# KiCad board pcb-panel.kicad_pcb (continued)
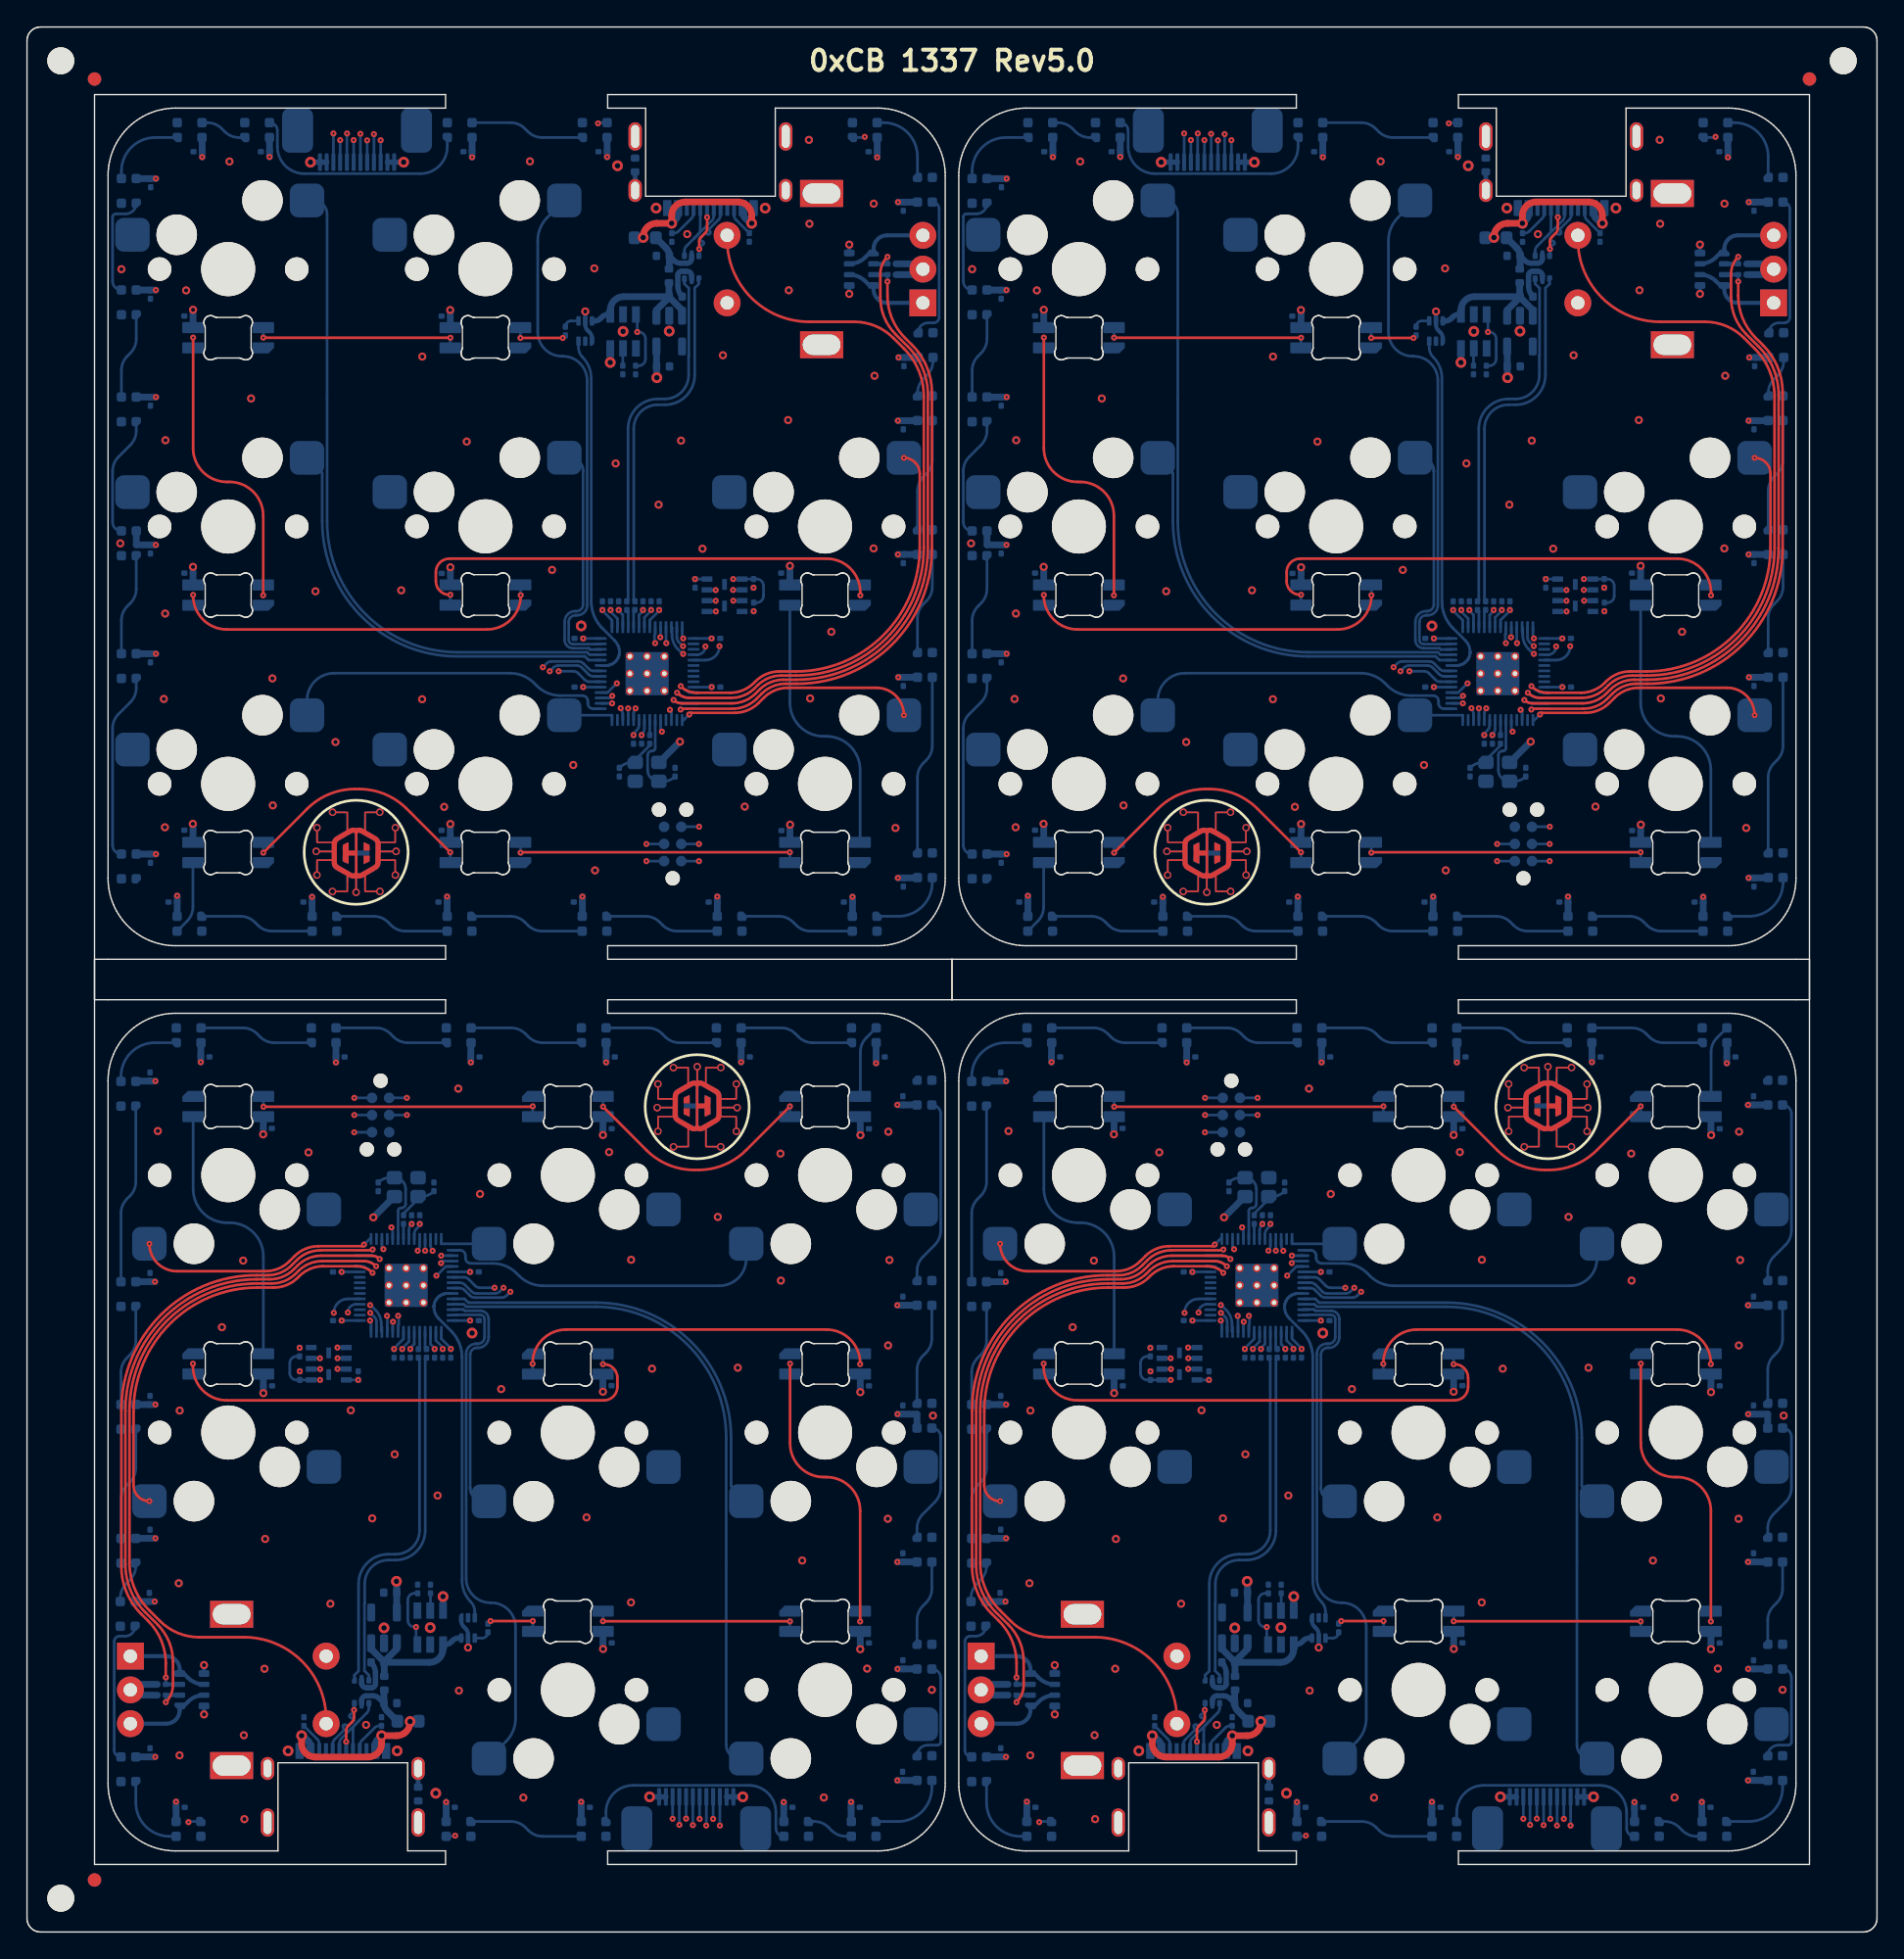
[diagram p0: board, top side]
## Routing (per net, layer and track width the routed paths; a pad name or vN(x,y) marks a point on that pad's centre or on a via; arc(x,y) is an arc through that point) (continued)
Board_1-/SPI0_DC: length 63.2
  In1.Cu w0.2: v1(87.19,132.63) 87.19,133.15 arc(87.07,133.43) 86.79,133.55 85.64,133.55 arc(85.52,133.52) 85.42,133.46 85.38,133.41 arc(85.3,133.28) 85.27,133.13 85.27,133.09 arc(85.29,132.96) 85.37,132.85 87.5,130.71 arc(87.71,130.39) 87.79,130.01 87.79,102.3 arc(90.64,95.44) 97.5,92.59 102.53,92.59 arc(102.72,92.63) 102.88,92.74 102.96,92.81 arc(103.12,92.92) 103.31,92.96 105.06,92.96 arc(105.44,92.88) 105.76,92.67 106.66,91.77 arc(106.74,91.66) 106.77,91.52 106.77,91.45 arc(106.74,91.32) 106.67,91.22 106.39,90.94 v1(106.33,90.94)
  Bottom w0.2: J2#2.6 v1(87.19,132.63) ; v1(106.33,90.94) 106.33,90.94 U6#2.30
Board_1-/SPI0_RST: length 55.1
  In1.Cu w0.2: v1(88.69,133.07) 88.69,102.38 arc(91.29,96.09) 97.58,93.49 100.9,93.49 arc(101.06,93.52) v1(101.2,93.62)
  Bottom w0.2: v1(101.2,93.62) 101.48,93.9 arc(101.65,94.01) 101.84,94.04 103.85,94.04 arc(104.04,94.01) 104.2,93.9 104.61,93.49 arc(104.77,93.38) 104.96,93.34 U6#2.36 ; J2#2.9 v1(88.69,133.07)
Board_1-/SPI0_SCK: length 53.9
  In1.Cu w0.2: v1(102.37,93.32) 101.86,93.83 arc(101.62,93.99) 101.35,94.04 101.17,94.04 arc(101.04,94.01) 100.93,93.94 100.89,93.9 arc(100.76,93.82) 100.62,93.79 97.61,93.79 arc(91.51,96.31) 88.99,102.41 88.99,132.14 arc(89.04,132.4) v1(89.19,132.62)
  Bottom w0.2: v1(102.37,93.32) 103.46,93.32 arc(103.65,93.28) 103.82,93.17 104.3,92.69 arc(104.46,92.58) 104.65,92.54 U6#2.34 ; J2#2.10 v1(89.19,132.62)
Board_1-/SPI0_SDI: length 64
  In1.Cu w0.2: v1(88.19,132.61) 88.19,133.24 arc(88.01,133.67) 87.59,133.85 85.63,133.85 arc(85.41,133.8) 85.22,133.67 85.15,133.61 arc(85.01,133.4) 84.97,133.16 84.97,133.03 arc(85.01,132.84) 85.12,132.67 87.2,130.59 arc(87.41,130.26) 87.49,129.88 87.49,102.29 arc(90.42,95.22) 97.49,92.29 102.65,92.29 arc(102.85,92.33) 103.01,92.44 103.04,92.47 arc(103.21,92.58) 103.4,92.62 104.8,92.62 arc(105.18,92.54) 105.5,92.33 v1(106.34,91.49)
  Bottom w0.2: v1(88.19,132.61) J2#2.8 ; v1(106.34,91.49) 106.19,91.34 U6#2.31
Board_1-/SPI0_SDO: length 55.8
  In1.Cu w0.2: v1(87.69,133.09) 87.69,132.71 arc(87.73,132.53) 87.83,132.37 87.96,132.25 arc(88.28,131.76) 88.39,131.19 88.39,102.36 arc(91.08,95.88) 97.56,93.19 101.41,93.19 arc(101.57,93.22) v1(101.71,93.32)
  Bottom w0.2: v1(101.71,93.32) 101.99,93.59 arc(102.15,93.7) 102.34,93.74 103.73,93.74 arc(103.92,93.7) 104.08,93.59 104.59,93.09 arc(104.75,92.98) 104.94,92.94 U6#2.35 ; J2#2.7 v1(87.69,133.09)
Board_1-/SWD_CLK: length 15.6
  In1.Cu w0.2: v1(108.07,90.57) 108.07,90.56 arc(108.06,90.52) 108.04,90.49 107.65,90.11 arc(107.51,89.89) 107.46,89.64 107.46,85.44 arc(107.81,83.7) 108.79,82.23 108.88,82.14 arc(110.66,80.95) v1(112.76,80.53)
  Bottom w0.2: U6#2.24 107.92,90.22 arc(107.96,90.41) v1(108.07,90.57) ; v1(112.76,80.53) 111.45,80.53
Board_1-/SWD_IO: length 16.5
  In1.Cu w0.2: v1(107.52,90.57) 107.52,90.53 arc(107.25,90.14) 107.16,89.67 107.16,85.35 arc(107.58,83.24) 108.78,81.44 109.69,80.53 arc(111.1,79.59) v1(112.76,79.26)
  Bottom w0.2: v1(112.76,79.26) 111.45,79.26 ; v1(107.52,90.57) 107.52,90.57 U6#2.25
Board_1-/USB+: length 26.8
  Bottom w0.2: U1#2.1 112.76,122 112.45,121.68 112.45,115.24 arc(111.8,113.69) 110.25,113.04 109.7,113.04 arc(108.45,112.52) 107.93,111.27 107.93,98.58 R8.1
Board_1-/USB-: length 26.8
  Bottom w0.2: R9#2.1 107.51,98.59 107.51,111.27 arc(108.16,112.83) 109.71,113.47 110.23,113.47 arc(111.48,113.99) 112,115.24 112,116.68 112.01,116.7 112.01,121.67 111.68,122 U1#2.3
Board_1-GND: length 11.9
  Bottom w0.2: U6#2.19 109.92,88.94 v1(110.02,88.85)
  Bottom w0.4: v2(83.99,131) J2#2.1 J2#2.2 ; U1#2.2 112.22,122.57 arc(112.12,122.82) 111.87,122.92 111.48,122.92 arc(111.28,122.84) 111.2,122.64 111.2,121.83 arc(111.28,121.41) C11#3.2
  Bottom w0.5: v3(111.35,88.11) 109.82,86.57 Y1#2.2 ; C7#3.2 128.96,123.47 MX3#2.C 128.94,122.67 C8#4.2
  vias: v2(104.04,96.67) v2(106.73,130.73) v2(107.14,118.47) v2(109.59,127.6) v2(110.56,118.49) v2(117.67,127.6) v3(69.91,102.78) v3(69.99,123.08) v3(73.13,91.27) v3(73.23,97.59) v3(73.21,81.77) v3(73.25,110.42) v3(74.78,121.51) v3(77.99,131.05) v3(79.59,113.51) v3(81.17,92.79) v3(81.2,83.39) v3(84.36,99.24) v3(85.84,88.08) v3(90.71,99.31) v3(92.27,116.61) v3(92.26,91.25) v3(93.89,83.28) v3(95.56,110.32) v3(100.24,131.06) v3(101.88,100.82) v3(103.45,86.38) v3(105.01,123.14) v3(105.06,78.58) v3(106.59,108.7) v3(109.77,105.65) v3(111.43,110.39) v3(111.89,125.67) v3(113.02,102.39) v3(114.53,116.71) v3(116.15,83.3) v3(119.41,121.52) v3(119.36,111.91) v3(120.9,132.65) v3(120.94,126.44) v3(120.99,91.31) v3(122.56,96.24) v3(125.7,127.93) v3(125.69,102.41) v3(125.76,115.19) v3(127.31,81.72)
Board_1-Net-(C40-Pad2): length 3.1
  Bottom w0.2: R10#4.1 109.12,87.82 108.04,86.75 Y1#2.1 107.84,86.57 arc(107.31,86.47) C40#2.2
Board_1-Net-(D1-DIN): length 15.3
  Top w0.2: v1(80.5,118.01) 80.51,118 v1(94.35,118)
  Bottom w0.2: v1(94.35,118) 94.35,118 D2#3.2 ; v1(80.5,118.01) 80.5,118.75 D1#2.4
Board_1-Net-(D1-DOUT): length 23.7
  Top w0.2: v1(80.49,98.94) 80.49,104.83 arc(79.76,106.6) 77.99,107.33 77.8,107.33 arc(76.03,108.06) 75.3,109.83 v1(75.3,118.02)
  Bottom w0.2: v1(75.3,118.02) 75.3,118.01 D1#2.2 ; v1(80.49,98.94) 80.5,98.94 D3#3.4
Board_1-Net-(D3-DOUT): length 28.7
  Top w0.2: v1(99.56,98.95) 99.56,98.91 arc(98.83,97.14) 97.06,96.41 77.8,96.41 arc(76.03,97.14) 75.3,98.91 v1(75.3,98.97)
  Bottom w0.2: D3#3.2 75.3,98.96 v1(75.3,98.97) ; D4#2.4 99.56,99.7 v1(99.56,98.95)
Board_1-Net-(D4-DOUT): length 37.5
  Top w0.2: v1(94.35,98.98) 94.28,98.98 arc(93.57,99.27) 93.28,99.98 93.28,100.65 arc(93.57,101.36) 94.28,101.65 122.21,101.65 arc(123.98,100.92) 124.71,99.15 v1(124.71,98.94)
  Bottom w0.2: v1(124.71,98.94) 124.71,99.69 D5#3.4 ; D4#2.2 v1(94.35,98.98)
Board_1-Net-(D5-DOUT): length 20.6
  Bottom w0.2: D5#3.2 119.5,91 arc(120.23,89.23) 122,88.5 122.2,88.5 arc(123.96,87.77) 124.7,86 D8.4
Board_1-Net-(D6-DIN): length 18.8
  Top w0.2: v1(80.5,79.89) 83.75,83.13 arc(85.37,84.22) 87.28,84.6 87.59,84.6 arc(89.5,84.22) 91.13,83.13 v1(94.34,79.92)
  Bottom w0.2: D6#2.4 80.5,80.65 v1(80.5,79.89) ; v1(94.34,79.92) 94.35,79.91 D7#3.2
Board_1-Net-(D7-DIN): length 21.5
  Top w0.2: v1(99.55,79.89) 99.58,79.92 v1(119.49,79.92)
  Bottom w0.2: D8.2 119.5,79.91 v1(119.49,79.92) ; D7#3.4 99.55,80.65 v1(99.55,79.89)
Board_1-Net-(D10-DIN): length 35.3
  In2.Cu w0.2: v1(105.29,133.87) 105.29,130.42 arc(107.34,125.47) 112.29,123.42 118.01,123.42 arc(122.96,125.47) 125.01,130.42 125.01,132.87 v1(125.04,132.87)
  Bottom w0.2: D10#2.3 105.34,133.92 v1(105.29,133.87) ; v1(125.04,132.87) 124.99,132.82 D9.1
Board_1-Net-(D10-DOUT): length 8.5
  Bottom w0.2: D10#2.1 101.15,132.82 arc(100.58,132.93) 100.09,133.26 99.87,133.48 arc(99.38,133.81) 98.81,133.92 D11.3
Board_1-Net-(D11-DOUT): length 17.7
  Bottom w0.2: D11.1 94.13,132.15 arc(93.54,130.73) 92.13,130.15 83.54,130.15 arc(82.13,130.73) 81.54,132.15 81.54,133.34 arc(81.37,133.75) D12#3.3
Board_1-Net-(D12-DOUT): length 3.5
  Bottom w0.2: D12#3.1 78.7,132.82 arc(78.13,132.93) 77.64,133.26 77.42,133.48 arc(76.93,133.81) 76.36,133.92 D13.3
Board_1-Net-(D13-DOUT): length 6.1
  Bottom w0.2: D15#2.3 69.99,130.32 arc(70.72,132.09) 72.49,132.82 D13.1
Board_1-Net-(D14-DIN): length 11
  Bottom w0.2: D14#2.3 130.05,128.04 arc(130.4,127.89) 130.55,127.54 130.55,119.51 arc(130.43,119.22) 130.14,119.1 129.72,119.1 arc(129.2,118.89) D16.1
Board_1-Net-(D14-DOUT): length 6
  Bottom w0.2: D9.3 126.44,133.92 arc(128.21,133.19) 128.94,131.42 D14#2.1
Board_1-Net-(D15-DOUT): length 8.1
  Bottom w0.2: D15#2.1 arc(70.86,127.4) 70.31,127.17 69.56,127.17 arc(69.4,127.11) 69.34,126.95 69.34,122.19 arc(69.53,121.73) D17#4.3
Board_1-Net-(D16-DIN): length 3.2
  Bottom w0.2: D18#3.1 128.94,113.89 arc(129.05,114.46) 129.38,114.95 129.65,115.22 arc(129.98,115.71) 130.09,116.28 D16.3
Board_1-Net-(D17-DOUT): length 6.4
  Bottom w0.2: D17#4.1 71.09,117.92 arc(70.98,117.35) 70.65,116.86 70.43,116.64 arc(70.1,116.15) 69.99,115.58 D19#4.3
Board_1-Net-(D18-DIN): length 8.4
  Bottom w0.2: D18#3.3 130.04,108.99 arc(129.93,108.42) 129.6,107.93 129.38,107.71 arc(129.05,107.22) 128.94,106.65 D20#3.1
Board_1-Net-(D19-DOUT): length 9.1
  Bottom w0.2: D19#4.1 71.09,111.12 arc(70.98,110.55) 70.65,110.06 69.78,109.19 arc(69.45,108.7) 69.34,108.12 69.34,104.36 arc(69.53,103.89) D21#2.3
Board_1-Net-(D20-DIN): length 7.6
  Bottom w0.2: D20#3.3 130.04,99.57 arc(129.93,99) 129.6,98.51 129.38,98.29 arc(129.05,97.8) 128.94,97.23 D22.1
Board_1-Net-(D21-DOUT): length 7.6
  Bottom w0.2: D21#2.1 71.09,99.41 arc(70.98,98.84) 70.65,98.35 70.43,98.13 arc(70.1,97.64) 69.99,97.07 D23#2.3
Board_1-Net-(D22-DIN): length 13.3
  Bottom w0.2: D22.3 130.04,87.8 arc(129.93,87.23) 129.6,86.74 129.38,86.52 arc(129.05,86.03) 128.94,85.46 D24#2.1
Board_1-Net-(D23-DOUT): length 14
  Bottom w0.2: D23#2.1 71.09,92.08 arc(70.98,91.51) 70.65,91.02 69.78,90.15 arc(69.45,89.66) 69.34,89.08 69.34,80.44 arc(69.53,79.98) D25#4.3
Board_1-Net-(D24-DIN): length 5.9
  Bottom w0.2: D26#4.1 127.54,75.18 arc(129.31,75.91) 130.04,77.68 D24#2.3
Board_1-Net-(D26-DIN): length 8.5
  Bottom w0.2: D26#4.3 121.02,74.08 arc(120.45,74.19) 119.96,74.52 119.74,74.74 arc(119.25,75.07) 118.68,75.18 D27.1
Board_1-Net-(D27-DIN): length 8.5
  Bottom w0.2: D28#3.1 108.8,75.18 arc(109.37,75.07) 109.86,74.74 110.08,74.52 arc(110.57,74.19) 111.14,74.08 D27.3
Board_1-Net-(D28-DIN): length 8.5
  Bottom w0.2: D29#2.1 98.81,75.18 arc(99.38,75.07) 99.87,74.74 100.09,74.52 arc(100.58,74.19) 101.15,74.08 D28#3.3
Board_1-Net-(D29-DIN): length 8.5
  Bottom w0.2: D29#2.3 91.02,74.08 arc(90.45,74.19) 89.96,74.52 89.74,74.74 arc(89.25,75.07) 88.68,75.18 D30#3.1
Board_1-Net-(D30-DIN): length 8.5
  Bottom w0.2: D31.1 78.81,75.18 arc(79.38,75.07) 79.87,74.74 80.09,74.52 arc(80.58,74.19) 81.15,74.08 D30#3.3
Board_1-Net-(D31-DIN): length 5.5
  Bottom w0.2: D6#2.2 75.29,79.14 75.29,75.87 arc(75.17,75.3) 74.85,74.81 D31.3
Board_1-Net-(F1-Pad1): length 14.3
  Top w0.5: v2(116.67,126.47) 116.67,127.05 arc(116.37,127.76) 115.67,128.05 111.74,128.05 arc(111.03,127.76) 110.74,127.05 v2(110.74,126.47) 109.63,126.47 arc(108.92,126.18) 108.63,125.47 v2(108.63,125.42)
  Bottom w0.5: v2(108.63,125.42) 108.01,125.42 F1#4.1 ; v2(116.67,126.47) 116.57,126.47 116.16,126.88 arc(116.05,127.04) 116.01,127.23 J1.A9 ; J1.A4 111.21,127.15 arc(111.17,126.96) 111.06,126.79 v2(110.74,126.47)
Board_1-Net-(J1-CC1): length 2.7
  Bottom w0.2: J1.A5 112.36,127.2 arc(112.32,127.01) 112.21,126.85 111.26,125.89 arc(111.09,125.78) 110.9,125.74 R2#3.2
Board_1-Net-(J1-CC2): length 2.3
  Bottom w0.2: J1.B5 115.36,127.08 arc(115.4,126.89) 115.51,126.73 R1#2.2
Board_1-Net-(J1-SHIELD): length 1.4
  Bottom w0.35: J1.S1 108.04,130.28 FB1#2.1
Board_1-Net-(RN1A-R1.1): length 6.6
  Bottom w0.3: MX3#2.B 126.69,125.58 arc(125.98,125.29) 125.69,124.58 RN1#2.1 125.39,124.27 125.09,123.97 arc(124.54,123.6) RN1#2.7
Board_1-Net-(RN1C-R3.2): length 6.6
  Bottom w0.3: MX3#2.A 126.69,120.58 arc(125.98,120.87) 125.69,121.58 RN1#2.4 125.39,121.87 125.09,122.18 arc(124.54,122.54) RN1#2.6
Board_1-Net-(U1-VBUS): length 5
  Bottom w0.4: C10#2.1 110.91,123.72 arc(111.13,123.57) 111.39,123.52 111.87,123.52 arc(112.12,123.62) 112.22,123.87 U1#2.5
  Bottom w0.5: FB2#2.1 110.57,123.12 C10#2.1 arc(110.51,124.37) 110.33,124.64 F1#4.2
Board_1-Net-(U3-ILIM): length 1.3
  Bottom w0.2: U3.5 107.12,117.2 R5#2.1
Board_1-Net-(U4-B): length 1.2
  Bottom w0.2: U4.4 103.3,119.25 arc(102.99,119.12) R3.1
Board_1-Net-(U6-XTAL_IN): length 6.6
  Bottom w0.2: U6#2.20 109.52,87.62 arc(109.46,87.47) 109.31,87.41 109.27,87.41 arc(109.05,87.32) 108.96,87.11 108.96,86 arc(109.2,85.41) Y1#2.3 110.13,85.17 arc(110.6,85.26) C37#3.2
Board_1-Net-(U6-XTAL_OUT): length 1.1
  Bottom w0.2: U6#2.21 109.12,88.6 R10#4.2
Board_2-+1V1: length 4.2
  Bottom w0.2: U6#4.50 27.88,43.9 27.18,43.2 v1(27.18,43.15) C25#3.1 ; U6#4.45 29.88,43.51 30.18,43.2 v1(30.18,43.15) C22#3.2 ; U6#4.23 28.68,51.65 arc(28.72,51.87) 28.85,52.06 29.08,52.29 v1(29.08,52.4) C39#2.1
Board_2-+3V3: length 21.7
  Bottom w0.2: U6#4.10 23.3,48.86 v1(23.3,48.85) ; v1(32.81,45.25) 32.81,45.26 U6#4.42 ; U6#4.49 28.28,43.7 27.78,43.2 v1(27.78,43.15) C21#3.1 ; U5#4.8 24.53,40.86 v1(24.53,40.86) ; v1(23.3,45.25) 23.31,45.26 U6#4.1 ; C23#3.1 v1(28.38,43.15) 28.38,43.23 28.68,43.52 U6#4.48 ; U6#4.44 30.28,43.78 30.78,43.28 v1(30.78,43.15) C26#4.2 ; v1(28.13,61.74) 26.82,61.74 ; U6#4.33 32.81,48.86 v1(32.81,48.85) ; U6#4.43 30.68,43.91 31.38,43.2 v1(31.38,43.15) ; C38.1 v1(28.48,52.4) arc(28.33,52.18) 28.28,51.91 U6#4.22
  Bottom w0.3: U4#2.1 32.16,23.03 arc(32.2,22.8) 32.33,22.6 32.48,22.45 arc(32.61,22.26) 32.66,22.03 U4#2.5 v3(32.66,21.05) ; RN1#3.5 v3(13.11,19.75) ; v3(13.11,16.1) RN1#3.8
  Bottom w0.35: 27.38,23.66 U2#4.5
  Bottom w0.4: v2(46.11,10) J2#3.12 J2#3.11
  Bottom w0.5: 27.38,23.66 C17#3.1 27.38,25.93 v2(27.36,25.95)
  vias: v1(20.2,41.5)
Board_2-+5V: length 11.5
  Bottom w0.4: U4#2.6 31.95,21.75 arc(31.72,21.71) 31.53,21.58 31.4,21.45 arc(31.21,21.32) 30.98,21.27 U3#3.1
  Bottom w0.5: U3#3.1 30.81,20.95 arc(30.52,20.25) 29.81,19.95 C11.1 ; 26.42,19.89 26.42,19.98 27.39,20.95 U2#4.1 ; 26.42,19.89 26.42,20.02 25.49,20.95 U2#4.3 ; 26.42,19.89 26.46,19.85 FB2#3.2
Board_2-/BOOT: length 19.6
  In2.Cu w0.2: v1(20.19,43.24) 20.19,51.64 arc(20.76,53.01) 22.13,53.58 arc(23.61,54.19) 24.23,55.68 v1(24.23,59.19)
  Bottom w0.2: J3#2.6 25.54,59.19 v1(24.23,59.19) ; R6#2.2 v1(20.19,43.24)
Board_2-/D+: length 1.3
  Bottom w0.2: R8#2.2 29.08,43.24 U6#4.47
Board_2-/D-: length 1.3
  Bottom w0.2: R9#3.2 29.48,43.25 U6#4.46
Board_2-/EA: length 50.8
  Top w0.2: v1(26.12,49.81) arc(25.84,49.99) 25.52,50.06 21.8,50.06 arc(20.85,49.87) 20.04,49.33 19.75,49.04 arc(18.94,48.5) 17.98,48.31 17.03,48.31 arc(10.14,45.46) 7.29,38.57 7.29,27.2 arc(7.67,25.29) 8.75,23.67 9.68,22.74 arc(10.51,21.49) 10.81,20.01 10.81,18.29 arc(10.67,17.6) v1(10.28,17.01)
  Bottom w0.2: U6#4.13 25.52,50.06 arc(25.84,49.99) v1(26.12,49.81) ; v1(10.28,17.01) C7#2.1
  Bottom w0.3: RN1#3.2 C7#2.1
Board_2-/EB: length 48.1
  Top w0.2: v1(25.6,50.52) 25.54,50.46 21.74,50.46 arc(20.79,50.27) 19.98,49.73 19.59,49.34 arc(18.78,48.8) 17.82,48.61 16.99,48.61 arc(9.92,45.68) 6.99,38.61 6.99,27.08 arc(7.37,25.17) 8.45,23.54 8.99,23.01 arc(9.94,21.58) 10.28,19.89 v1(10.28,18.84)
  Bottom w0.2: v1(25.6,50.52) 25.54,50.46 U6#4.14 ; v1(10.28,18.84) C8.1
  Bottom w0.3: C8.1 RN1#3.3
Board_2-/LIM_EN: length 35.2
  In1.Cu w0.2: v1(28.81,22.57) 28.81,48.92 arc(28.33,50.06) 27.19,50.54 v1(26.39,50.54)
  Bottom w0.2: v1(26.39,50.54) 26.28,50.65 U6#4.17 ; U3#3.3 28.81,21.37 v1(28.81,22.57) 28.7,22.57 arc(28.35,22.72) 28.2,23.07 28.2,24.57 arc(28.35,24.92) 28.7,25.07 R4#2.2
Board_2-/PORT+: length 8.1
  Top w0.2: v1(24.22,16.43) 24.22,15.9 arc(24.18,15.7) 24.07,15.54 23.78,15.25 arc(23.67,15.09) 23.64,14.9 v1(23.64,14.08)
  Bottom w0.2: J1#4.B6 22.64,13.9 arc(22.68,14.09) 22.79,14.26 23.43,14.9 arc(23.47,15) 23.43,15.1 arc(23.39,15.2) 23.43,15.3 23.44,15.31 arc(23.54,15.36) 23.64,15.31 arc(23.74,15.27) 23.84,15.31 24.22,15.69 arc(24.18,15.8) 24.07,15.84 24.03,15.84 arc(23.92,15.88) 23.88,15.99 arc(23.92,16.1) 24.03,16.14 24.07,16.14 arc(24.18,16.18) 24.22,16.29 v1(24.22,16.43) 24.22,16.91 U1#3.6 ; J1#4.A6 23.64,14.08 v1(23.64,14.08)
Board_2-/PORT-: length 6.8
  Bottom w0.2: J1#4.A7 23.14,13.98 arc(23.18,14.17) 23.29,14.33 24.6,15.65 ; 24.6,15.65 24.29,15.33 arc(24.18,15.17) 24.14,14.98 J1#4.B7 ; 24.6,15.65 25.17,16.22 arc(25.28,16.38) 25.32,16.57 U1#3.4
Board_2-/QSPI_CLK: length 8.8
  In1.Cu w0.2: v1(23,42.47) 23.74,42.47 arc(23.84,42.43) 23.88,42.33 arc(23.92,42.23) 24.02,42.19 24.05,42.19 arc(24.15,42.23) 24.19,42.33 24.19,42.57 arc(24.22,42.64) 24.29,42.67 24.39,42.67 arc(24.46,42.64) 24.49,42.57 arc(24.52,42.5) 24.59,42.47 25.09,42.47 arc(25.13,42.57) 25.09,42.66 arc(25.05,42.76) 25.09,42.86 25.11,42.89 arc(25.21,42.93) 25.31,42.89 25.49,42.71 arc(25.57,42.67) 25.65,42.71 25.7,42.76 arc(25.73,42.84) 25.7,42.92 arc(25.67,43) 25.7,43.08 25.74,43.12 arc(25.82,43.16) 25.9,43.12 arc(25.98,43.09) 26.06,43.12 26.11,43.18 arc(26.15,43.26) 26.11,43.34 arc(26.08,43.41) 26.11,43.49 26.17,43.55 arc(26.25,43.58) 26.32,43.55 arc(26.4,43.51) 26.48,43.55 26.54,43.6 arc(26.57,43.68) 26.54,43.76 arc(26.5,43.84) 26.54,43.92 26.77,44.15 arc(27.02,44.52) 27.1,44.96 v1(27.1,45.17)
  Bottom w0.2: U6#4.52 27.08,45.14 v1(27.1,45.17) ; v1(23,42.47) 23.01,42.46 U5#4.6
Board_2-/QSPI_CS: length 12.4
  In1.Cu w0.2: v1(21.7,40.86) 21.98,41.14 arc(22.39,41.76) 22.54,42.49 22.54,43.22 arc(22.57,43.4) 22.67,43.54 22.71,43.58 arc(22.82,43.66) 22.96,43.68 24.34,43.68 24.39,43.73 arc(24.42,43.8) 24.39,43.87 arc(24.36,43.95) 24.39,44.02 24.46,44.09 arc(24.53,44.12) 24.61,44.09 24.75,43.95 arc(24.82,43.92) 24.89,43.95 24.99,44.05 arc(25.02,44.12) 24.99,44.19 arc(24.96,44.26) 24.99,44.33 25.26,44.6 arc(25.37,44.76) 25.4,44.95 v1(25.4,45.25)
  Bottom w0.2: v1(25.4,45.25) 25.48,45.18 U6#4.56 ; v1(21.7,40.86) 21.7,40.86 U5#4.1 21.04,40.86 R7.2 19.96,40.86 arc(19.61,41.01) 19.46,41.36 19.46,42.1 arc(19.61,42.46) 19.96,42.6 R6#2.1
Board_2-/QSPI_SD0: length 8.8
  In1.Cu w0.2: v1(22.99,43.26) 23.7,43.26 arc(23.8,43.22) 23.85,43.11 arc(23.89,43.01) 23.99,42.97 24,42.97 arc(24.1,43.01) 24.15,43.11 arc(24.19,43.22) 24.29,43.26 24.3,43.26 arc(24.4,43.22) 24.45,43.11 arc(24.49,43.01) 24.59,42.96 24.6,42.96 arc(24.71,43.01) 24.75,43.11 24.75,43.41 arc(24.79,43.51) 24.9,43.55 24.9,43.55 arc(25.01,43.51) 25.05,43.41 arc(25.09,43.3) 25.2,43.26 25.27,43.26 25.52,43.51 arc(25.56,43.61) 25.52,43.71 arc(25.47,43.82) 25.52,43.92 25.52,43.93 arc(25.62,43.97) 25.73,43.93 arc(25.83,43.88) 25.94,43.93 25.94,43.93 arc(25.98,44.04) 25.94,44.14 arc(25.9,44.24) 25.94,44.35 25.94,44.35 arc(26.05,44.39) 26.15,44.35 arc(26.26,44.31) 26.36,44.35 26.37,44.36 arc(26.6,44.7) 26.68,45.11 26.68,45.59 v1(26.66,45.6)
  Bottom w0.2: U5#4.5 22.99,43.26 v1(22.99,43.26) ; U6#4.53 26.68,44.42 26.68,45.59 v1(26.66,45.6)
Board_2-/QSPI_SD1: length 8.6
  In1.Cu w0.2: v1(25.42,45.82) 25.37,45.82 24.76,45.21 arc(24.72,45.11) 24.76,45 arc(24.81,44.9) 24.76,44.79 arc(24.66,44.75) 24.55,44.79 arc(24.45,44.83) 24.34,44.79 23.98,44.43 arc(23.68,44.23) 23.32,44.16 23.19,44.16 arc(22.87,44.1) 22.59,43.91 22.5,43.82 arc(22.22,43.39) 22.12,42.89 22.12,42.47 arc(22.04,42.11) 21.84,41.8 v1(21.71,41.67)
  Bottom w0.2: U5#4.2 21.7,41.66 v1(21.71,41.67) ; U6#4.55 25.88,45.18 arc(25.84,45.36) 25.74,45.52 25.43,45.82 v1(25.42,45.82)
Board_2-/QSPI_SD2: length 8.7
  In1.Cu w0.2: v1(21.69,42.46) 21.69,42.57 arc(21.85,43.37) 22.3,44.05 22.74,44.48 arc(22.98,44.64) 23.26,44.7 arc(23.66,44.78) 23.99,45 25.39,46.4 v1(25.41,46.4)
  Bottom w0.2: v1(21.69,42.46) U5#4.3 ; U6#4.54 26.23,44.47 26.23,45.01 arc(26.12,45.56) 25.81,46.03 25.44,46.4 v1(25.41,46.4)
Board_2-/QSPI_SD3: length 8.8
  In1.Cu w0.2: v1(23,41.68) 24.5,41.68 arc(25.06,41.79) 25.54,42.11 27.13,43.7 arc(27.42,44.14) 27.53,44.66 27.53,45.56 v1(27.48,45.6)
  Bottom w0.2: v1(23,41.68) 23.02,41.66 U5#4.7 ; U6#4.51 27.48,44.92 27.53,44.97 27.53,45.56 v1(27.48,45.6)
Board_2-/RGB_5V: length 4.2
  Top w0.2: v1(34.32,23.01) v1(37.46,23.01)
  Bottom w0.2: D2#4.4 37.46,22.25 v1(37.46,23.01) ; v1(34.32,23.01) R3#4.2
Board_2-/RGB_DO: length 25.9
  Bottom w0.2: U6#4.37 31.14,47.26 arc(31.13,47.26) 31.13,47.26 31.08,47.26 arc(31.07,47.26) 31.07,47.26 31.05,47.26 31.01,47.25 30.99,47.25 arc(30.99,47.25) 30.98,47.25 30.89,47.23 arc(30.89,47.23) 30.88,47.23 30.86,47.22 30.82,47.21 30.8,47.2 arc(30.79,47.2) 30.79,47.2 30.71,47.16 arc(30.7,47.16) 30.7,47.16 30.68,47.15 30.64,47.13 30.62,47.12 arc(30.62,47.12) 30.61,47.11 30.54,47.06 arc(30.53,47.06) 30.53,47.06 30.51,47.05 30.48,47.02 30.46,47 arc(30.46,47) 30.45,47 30.39,46.93 arc(30.39,46.93) 30.39,46.93 30.37,46.91 30.34,46.87 30.33,46.86 arc(30.33,46.85) 30.32,46.85 30.28,46.78 arc(30.27,46.77) 30.27,46.77 30.26,46.75 30.24,46.71 30.23,46.69 arc(30.23,46.69) 30.22,46.68 30.19,46.6 arc(30.19,46.6) 30.19,46.59 30.18,46.57 30.17,46.53 30.16,46.51 arc(30.16,46.5) 30.16,46.5 30.14,46.4 arc(30.14,46.4) 30.14,46.4 30.14,46.38 30.13,46.34 30.13,46.32 arc(30.13,46.31) 30.13,46.31 30.13,46.27 arc(30.13,46.26) 30.13,46.26 30.13,46.22 arc(30.14,46.14) 30.15,46.05 30.16,46.01 arc(30.18,45.91) 30.21,45.82 30.23,45.78 arc(30.27,45.7) 30.32,45.61 30.35,45.57 arc(30.4,45.5) 30.46,45.44 30.47,45.42 arc(30.48,45.42) 30.48,45.41 31.39,44.5 arc(31.4,44.5) 31.4,44.49 31.47,44.42 arc(31.5,44.38) 31.54,44.34 31.67,44.18 arc(31.7,44.14) 31.73,44.09 31.84,43.92 arc(31.87,43.87) 31.89,43.82 31.98,43.64 arc(32.01,43.58) 32.03,43.53 32.09,43.34 arc(32.11,43.29) 32.12,43.23 32.17,43.03 arc(32.18,42.98) 32.19,42.92 32.21,42.71 arc(32.22,42.67) 32.22,42.62 32.22,42.51 arc(32.22,42.51) 32.22,42.5 32.22,25.99 arc(32.39,25.15) 32.87,24.43 arc(33.08,24.11) 33.16,23.73 U4#2.3
Board_2-/RGB_PWR: length 46
  Bottom w0.5: v1(64.45,27.39) 65.9,27.39 ; v1(9.5,39.04) 8.06,39.04 ; 65.9,11.22 v1(64.45,11.22) ; v1(22.88,64.36) 22.88,65.81 ; D7#2.1 42.65,58.99 v3(42.65,58.99) ; 65.9,61.22 v1(64.45,61.22) ; 52.89,65.83 v1(52.89,64.38) ; 41.04,8.19 v1(41.04,9.63) ; v1(31.04,9.61) 31.04,8.17 ; v1(56.04,9.61) 56.04,8.17 ; v3(42.66,20.95) 42.65,20.95 D2#4.1 ; D8#4.1 17.5,59.05 v3(17.49,59.04) ; 32.87,65.81 v1(32.87,64.36) ; v1(11.04,9.64) 11.04,8.2 ; D3#2.1 61.7,39.96 v3(61.71,39.96) ; v1(62.88,64.31) 62.88,65.75 ; D16#3.4 v1(9.45,24.46) ; v2(30.81,24.83) U3#3.6 ; v1(9.49,12.96) 8.05,12.96 ; v1(64.45,46.39) 65.9,46.39 ; v3(61.7,20.93) D1#3.1 ; D21#3.4 65.91,38.33 v1(64.46,38.33) ; v3(61.72,58.98) 61.7,58.99 D6#3.1 ; 65.91,19.47 v1(64.46,19.47) ; v1(12.87,64.38) 12.87,65.83 ; v1(9.47,48.13) 8.03,48.13 ; v3(17.5,39.88) D5.1 ; 61.03,8.18 v1(61.03,9.62) ; 8.06,29.14 v1(9.5,29.14) ; v1(9.5,62.98) 8.06,62.98 ; 42.89,65.81 v1(42.89,64.36) ; D4#3.1 v3(42.65,39.99)
Board_2-/RST: length 12.9
  In1.Cu w0.2: v1(30.03,50.42) arc(30.11,50.53) 30.14,50.67 30.14,55.62 arc(29.62,58.25) v1(28.13,60.47)
  Bottom w0.2: v1(28.13,60.47) 26.82,60.47 ; v1(30.03,50.42) 30.03,50.48 30.03,50.49 arc(29.92,50.65) 29.88,50.84 U6#4.26
Board_2-/S1: length 50.7
  Bottom w0.2: U6#4.39 32.35,46.46 32.53,46.28 42.1,46.28 arc(48.94,43.44) 51.78,36.6 51.78,13.84 arc(52.07,13.13) 52.78,12.84 MX1#2.2
Board_2-/S2: length 38.7
  Bottom w0.2: MX2.2 35.47,14.1 arc(35.99,14.88) 36.18,15.81 36.18,22.57 arc(35.65,23.84) 34.38,24.37 34.32,24.37 arc(33.05,24.9) 32.52,26.17 32.52,42.81 arc(32.73,43.32) 33.25,43.54 33.38,43.54 arc(33.74,43.69) 33.88,44.04 33.88,45.36 arc(33.79,45.59) 33.56,45.68 31.54,45.68 U6#4.41
Board_2-/S3: length 58.2
  Top w0.2: MX3#3.S1 22.15,15.72 arc(20.37,20.03) 16.06,21.82 12.74,21.82 arc(11.17,22.13) 9.84,23.02 9.05,23.81 arc(7.97,25.43) 7.59,27.34 7.59,38.55 arc(10.35,45.23) 17.04,48 18.13,48 arc(19.09,48.19) 19.9,48.73 20.1,48.93 arc(20.91,49.47) 21.86,49.66 24.93,49.66 arc(25.43,49.56) v1(25.85,49.27)
  Bottom w0.2: U6#4.12 24.93,49.66 arc(25.43,49.56) v1(25.85,49.27)
Board_2-/S4: length 31.6
  Bottom w0.2: MX4#3.2 52.14,33.01 52.14,36.58 arc(49.21,43.65) 42.14,46.58 32.69,46.58 32.41,46.86 U6#4.38
Board_2-/S5: length 18.3
  Bottom w0.2: U6#4.40 31.54,46.08 32.3,46.08 32.4,45.98 33.58,45.98 arc(34.01,45.8) 34.18,45.37 34.18,44.02 arc(33.95,43.47) 33.4,43.24 33.25,43.24 arc(32.94,43.07) 32.82,42.74 32.82,32.88 arc(32.82,32.88) 32.82,32.87 32.82,32.82 arc(32.82,32.78) 32.83,32.74 32.85,32.64 arc(32.86,32.59) 32.88,32.54 32.92,32.45 arc(32.94,32.41) 32.96,32.37 33.02,32.28 arc(33.05,32.24) 33.08,32.21 33.15,32.14 arc(33.18,32.11) 33.22,32.08 33.31,32.02 arc(33.35,32) 33.39,31.98 33.48,31.94 arc(33.53,31.92) 33.58,31.91 33.68,31.89 arc(33.72,31.88) 33.76,31.88 33.81,31.88 arc(33.82,31.88) 33.82,31.88 MX5#3.2
Board_2-/S6: length 31.9
  Top w0.2: v1(9.06,31.89) arc(8.23,32.23) 7.89,33.06 7.89,38.52 arc(10.58,45.01) 17.07,47.7 18.28,47.7 arc(19.24,47.89) 20.05,48.43 20.17,48.55 arc(20.98,49.09) 21.93,49.28 24.41,49.28 arc(25.05,49.15) v1(25.59,48.79)
  Bottom w0.2: v1(25.59,48.79) 25.46,48.92 arc(25.08,49.17) U6#4.11
Board_2-/S7: length 25.1
  Bottom w0.2: U6#4.29 32.07,50.46 arc(32.35,50.34) 32.47,50.06 32.47,49.89 arc(32.59,49.61) 32.87,49.49 34.48,49.49 arc(35.44,49.3) 36.25,48.76 36.45,48.56 arc(37.26,48.02) 38.21,47.83 51.26,47.83 arc(52.68,48.42) 53.26,49.83 MX7#3.2
Board_2-/S8: length 3.9
  Bottom w0.2: U6#4.28 30.68,50.94 MX8#4.2
Board_2-/S9: length 18.3
  Top w0.2: v1(24.96,50.88) 24.83,50.76 21.58,50.76 arc(20.63,50.57) 19.82,50.03 19.43,49.64 arc(18.62,49.1) 17.66,48.91 11.09,48.91 arc(9.66,49.5) v1(9.06,50.94)
  Bottom w0.2: v1(24.96,50.88) 25.37,51.3 U6#4.15
Board_2-/SCL1: length 66.6
  In2.Cu w0.2: v1(50.81,8.37) 51,8.56 51,34.48 arc(48.15,41.37) 41.26,44.22 36.34,44.22 arc(34.88,43.93) 33.65,43.1 33.61,43.07 arc(32.23,42.14) 30.6,41.82 28.1,41.82 arc(26.2,42.2) 24.58,43.28 23.21,44.65 arc(22.85,45.19) v1(22.72,45.83)
  Bottom w0.2: J2#3.4 v1(50.81,8.37) ; U6#4.5 23.75,46.86 arc(23.02,46.56) v1(22.72,45.83)
Board_2-/SDA1: length 65.9
  In2.Cu w0.2: v1(51.31,7.88) 51.31,34.52 arc(48.38,41.59) 41.31,44.52 36.3,44.52 arc(34.77,44.21) 33.46,43.34 33.43,43.31 arc(32.11,42.43) 30.56,42.12 28.15,42.12 arc(26.32,42.48) 24.76,43.52 24.28,44 arc(23.9,44.58) 23.76,45.27 v1(23.76,45.85)